# Altium PCB FPGA_POETIC.PcbDoc (part 1 of 3)
Units mm, origin at the board's own origin, x right, y up, seen from the top; angles counter-clockwise.
Board outline 160 x 100 mm, 6 copper layers (Top Layer, GND, Internal SIG1, Internal SIG2, Power, Bottom Layer), stack 0.816 mm thick; 193 components, 248 nets, 1352 pads, 523 vias.
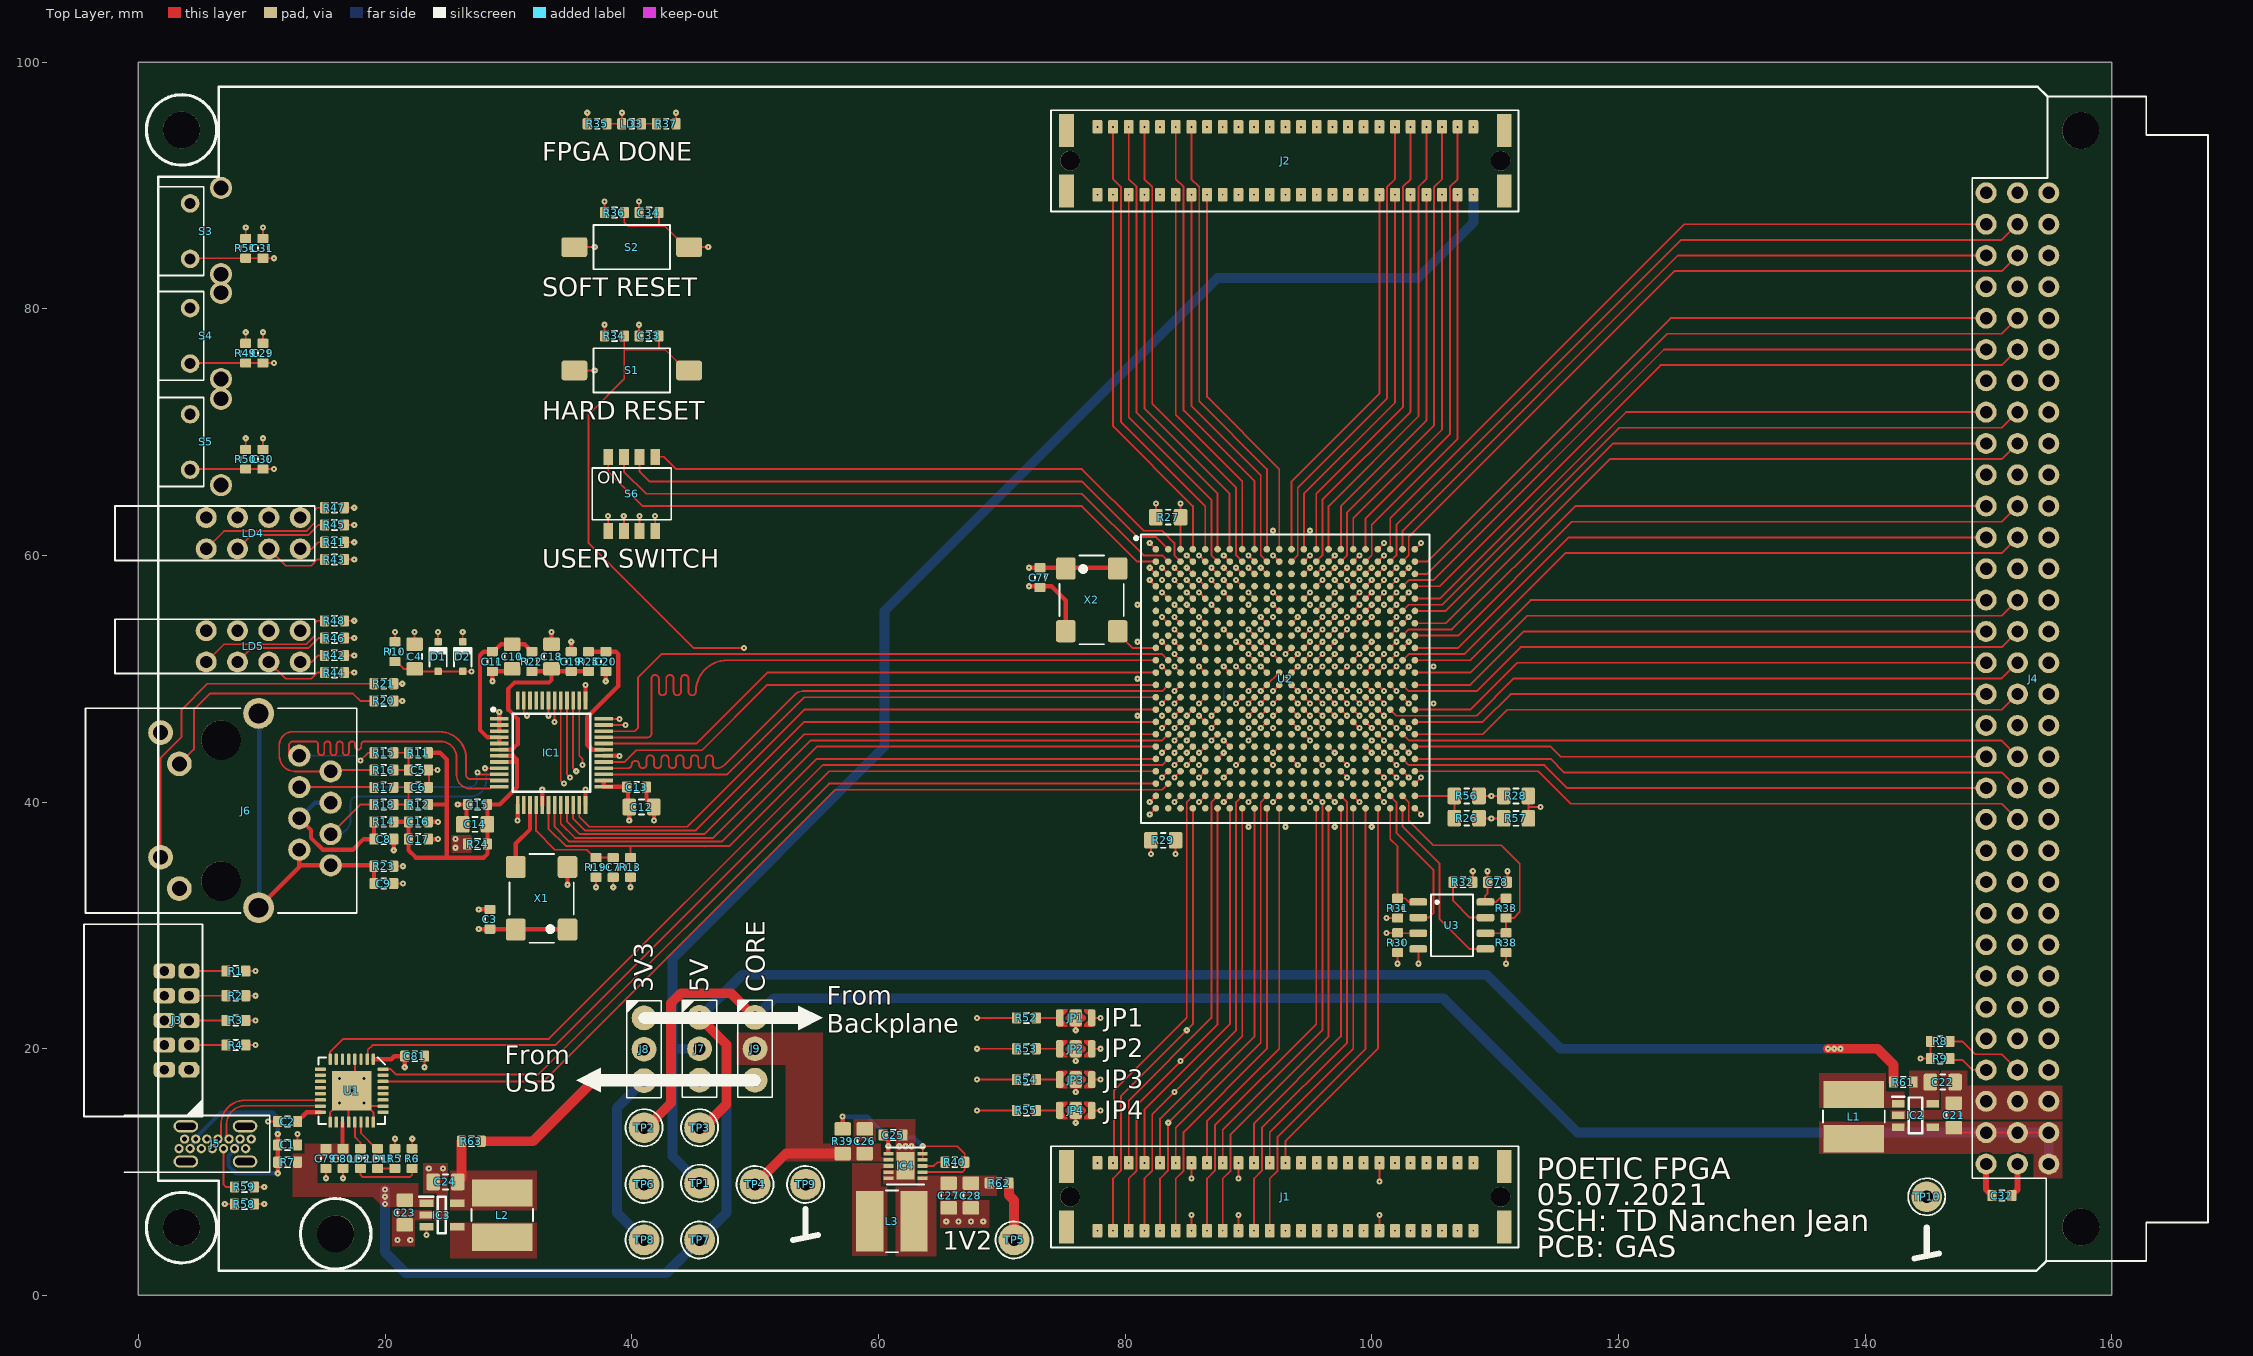
[diagram p0: Top Layer view]
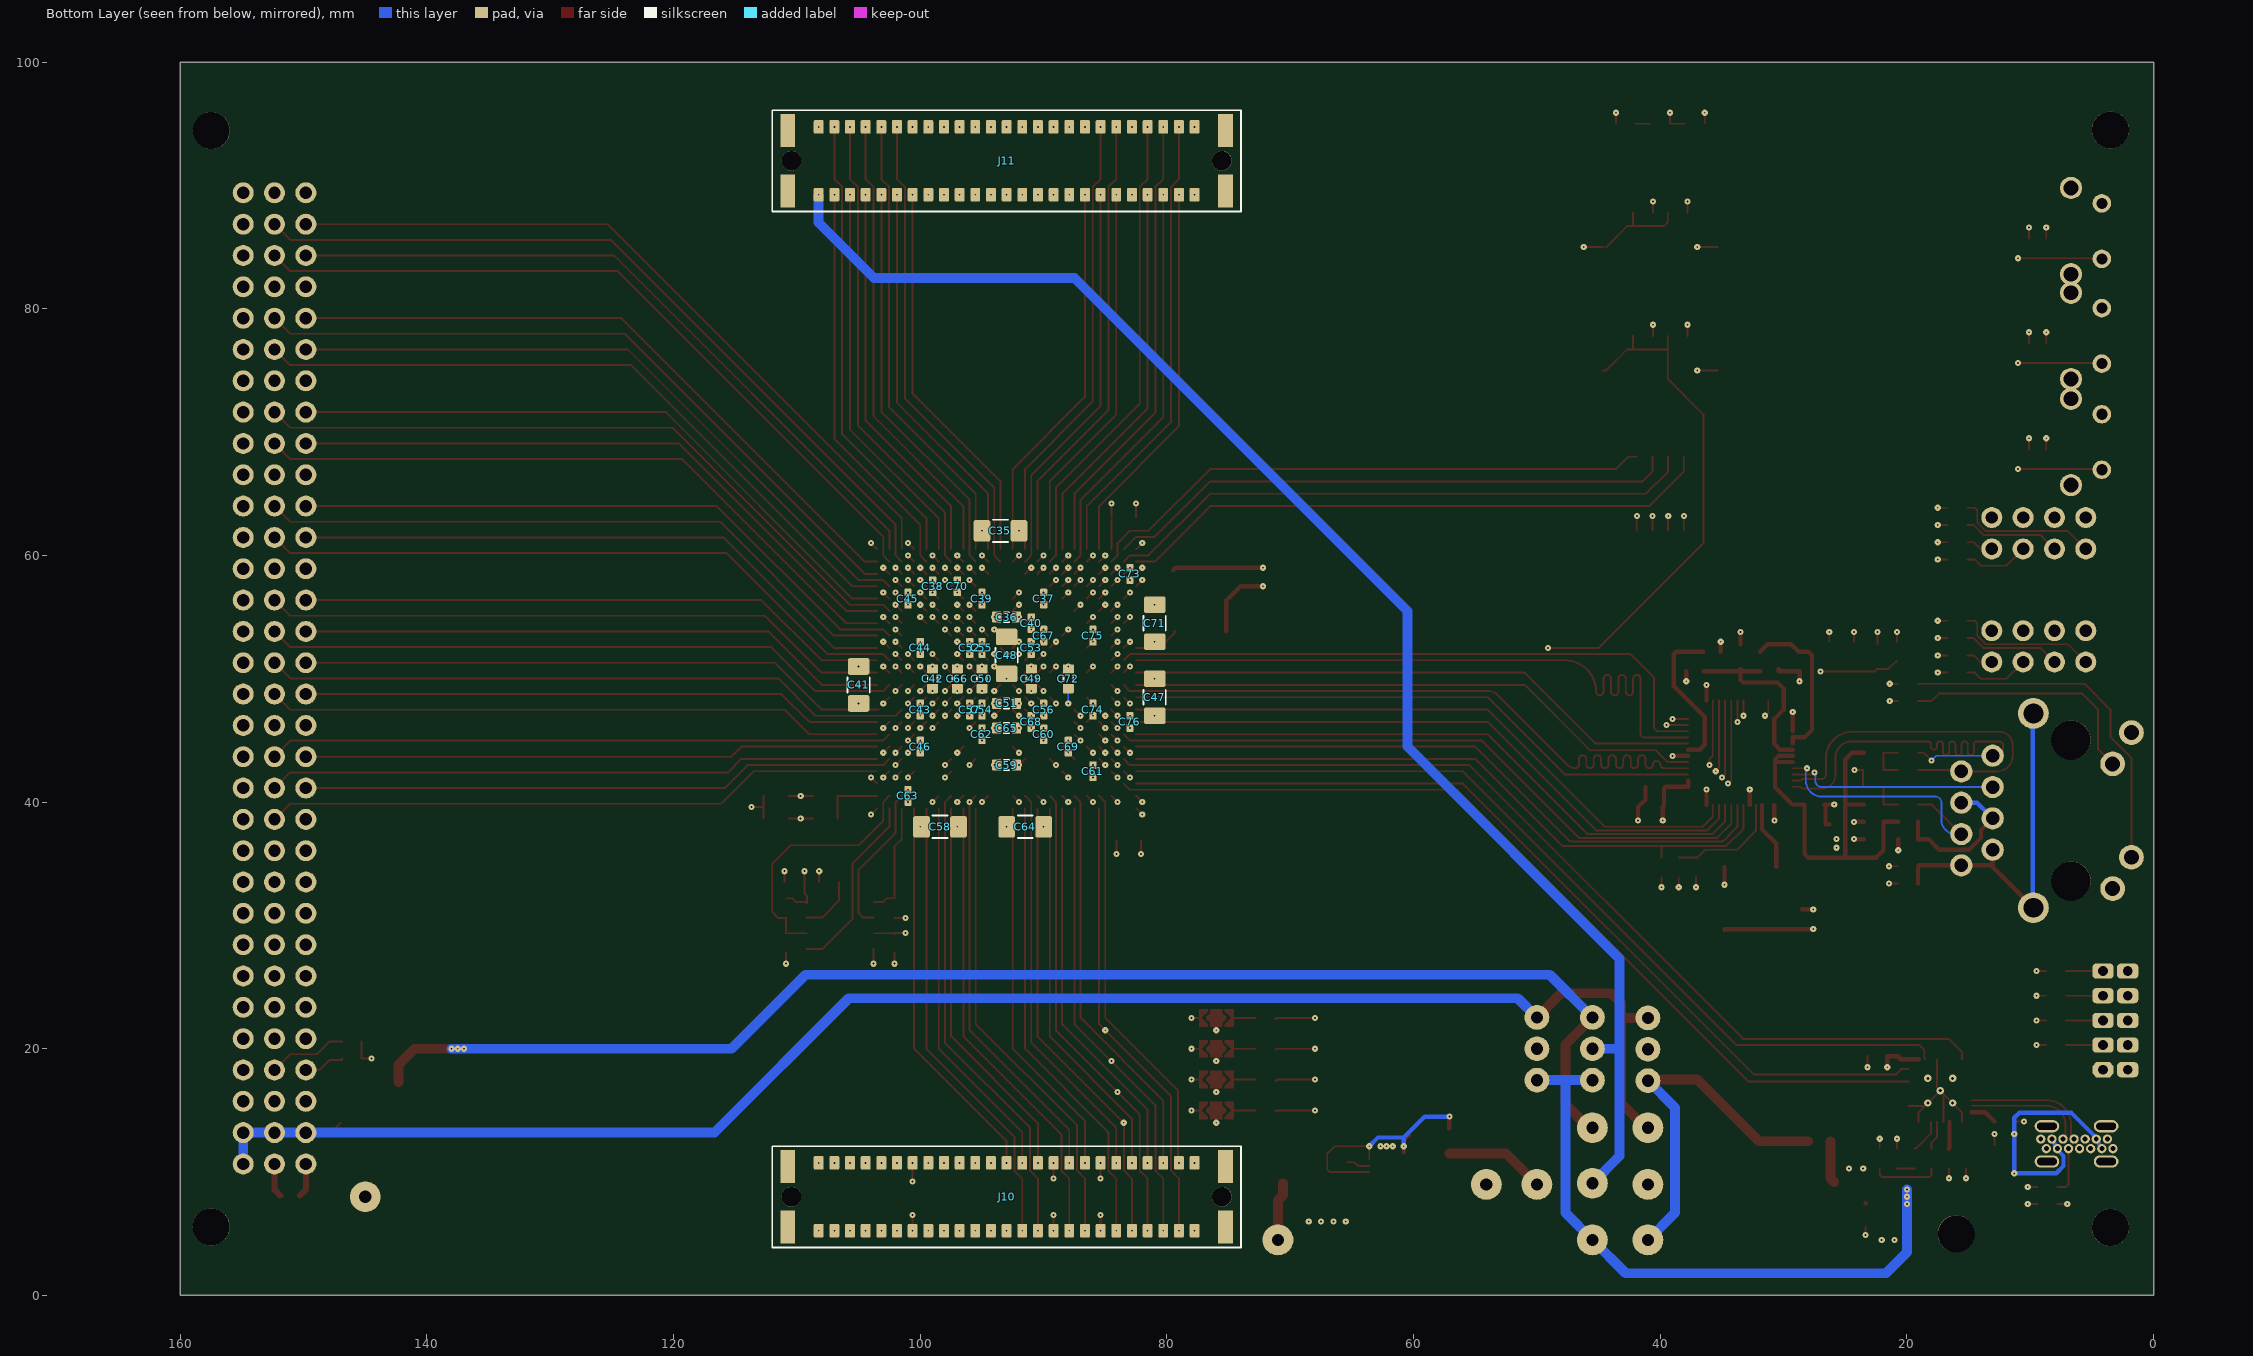
[diagram p1: Bottom Layer view, seen from below]
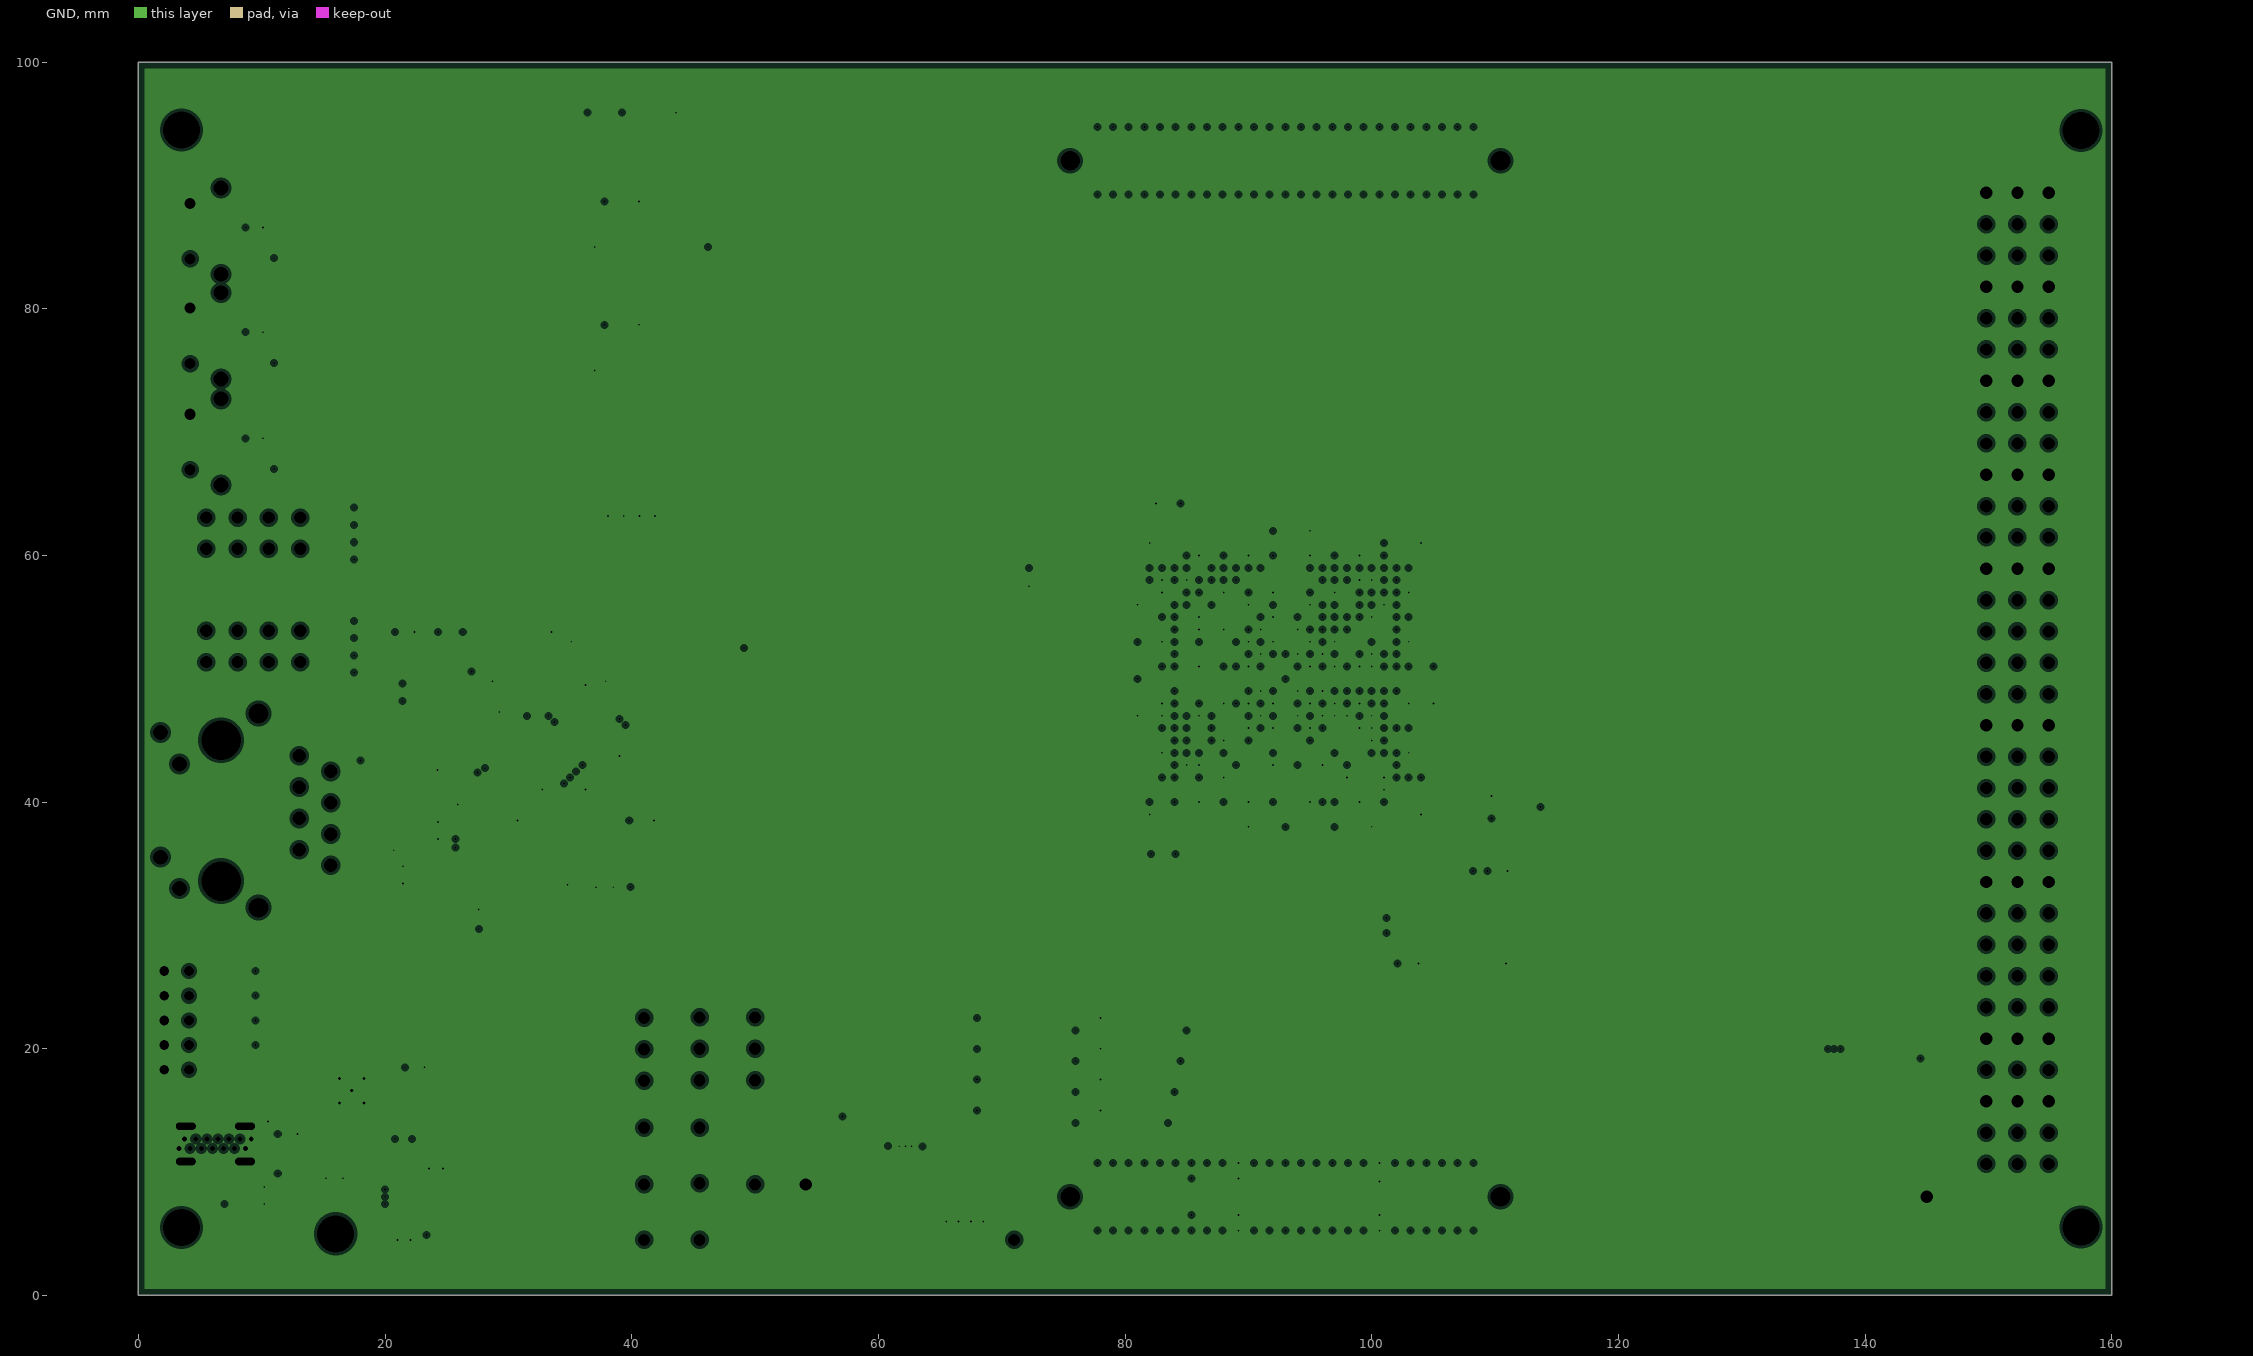
[diagram p2: GND, clearances drawn from the general rule]
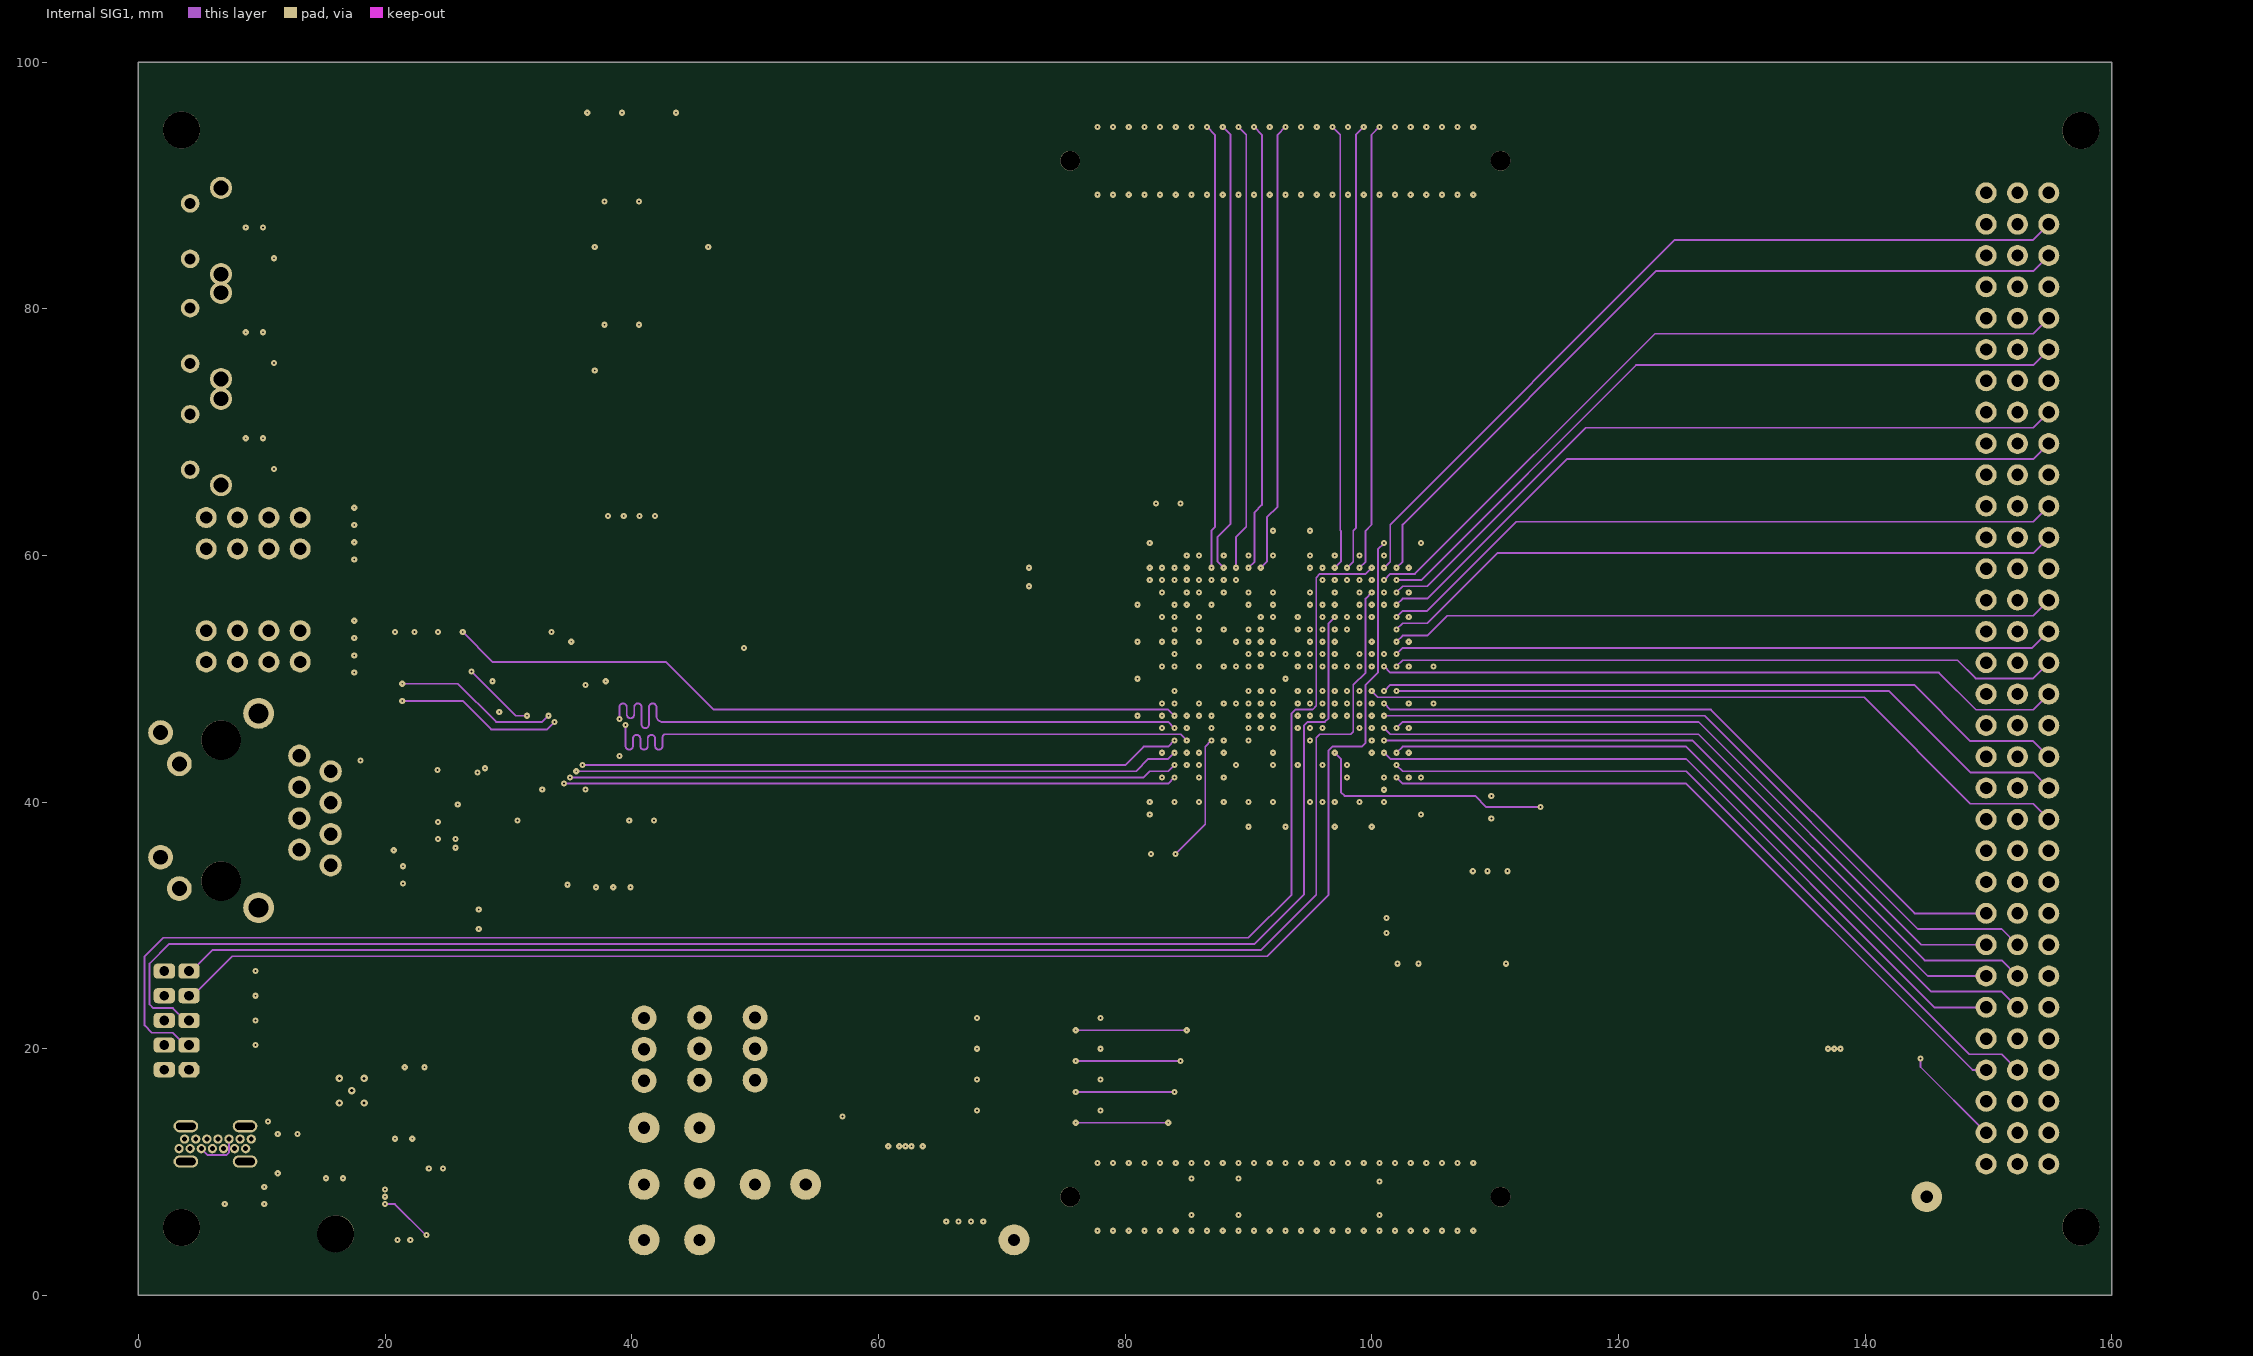
[diagram p3: Internal SIG1]